# Altium PCB RFFE.PcbDoc (part 4 of 7) (continued)
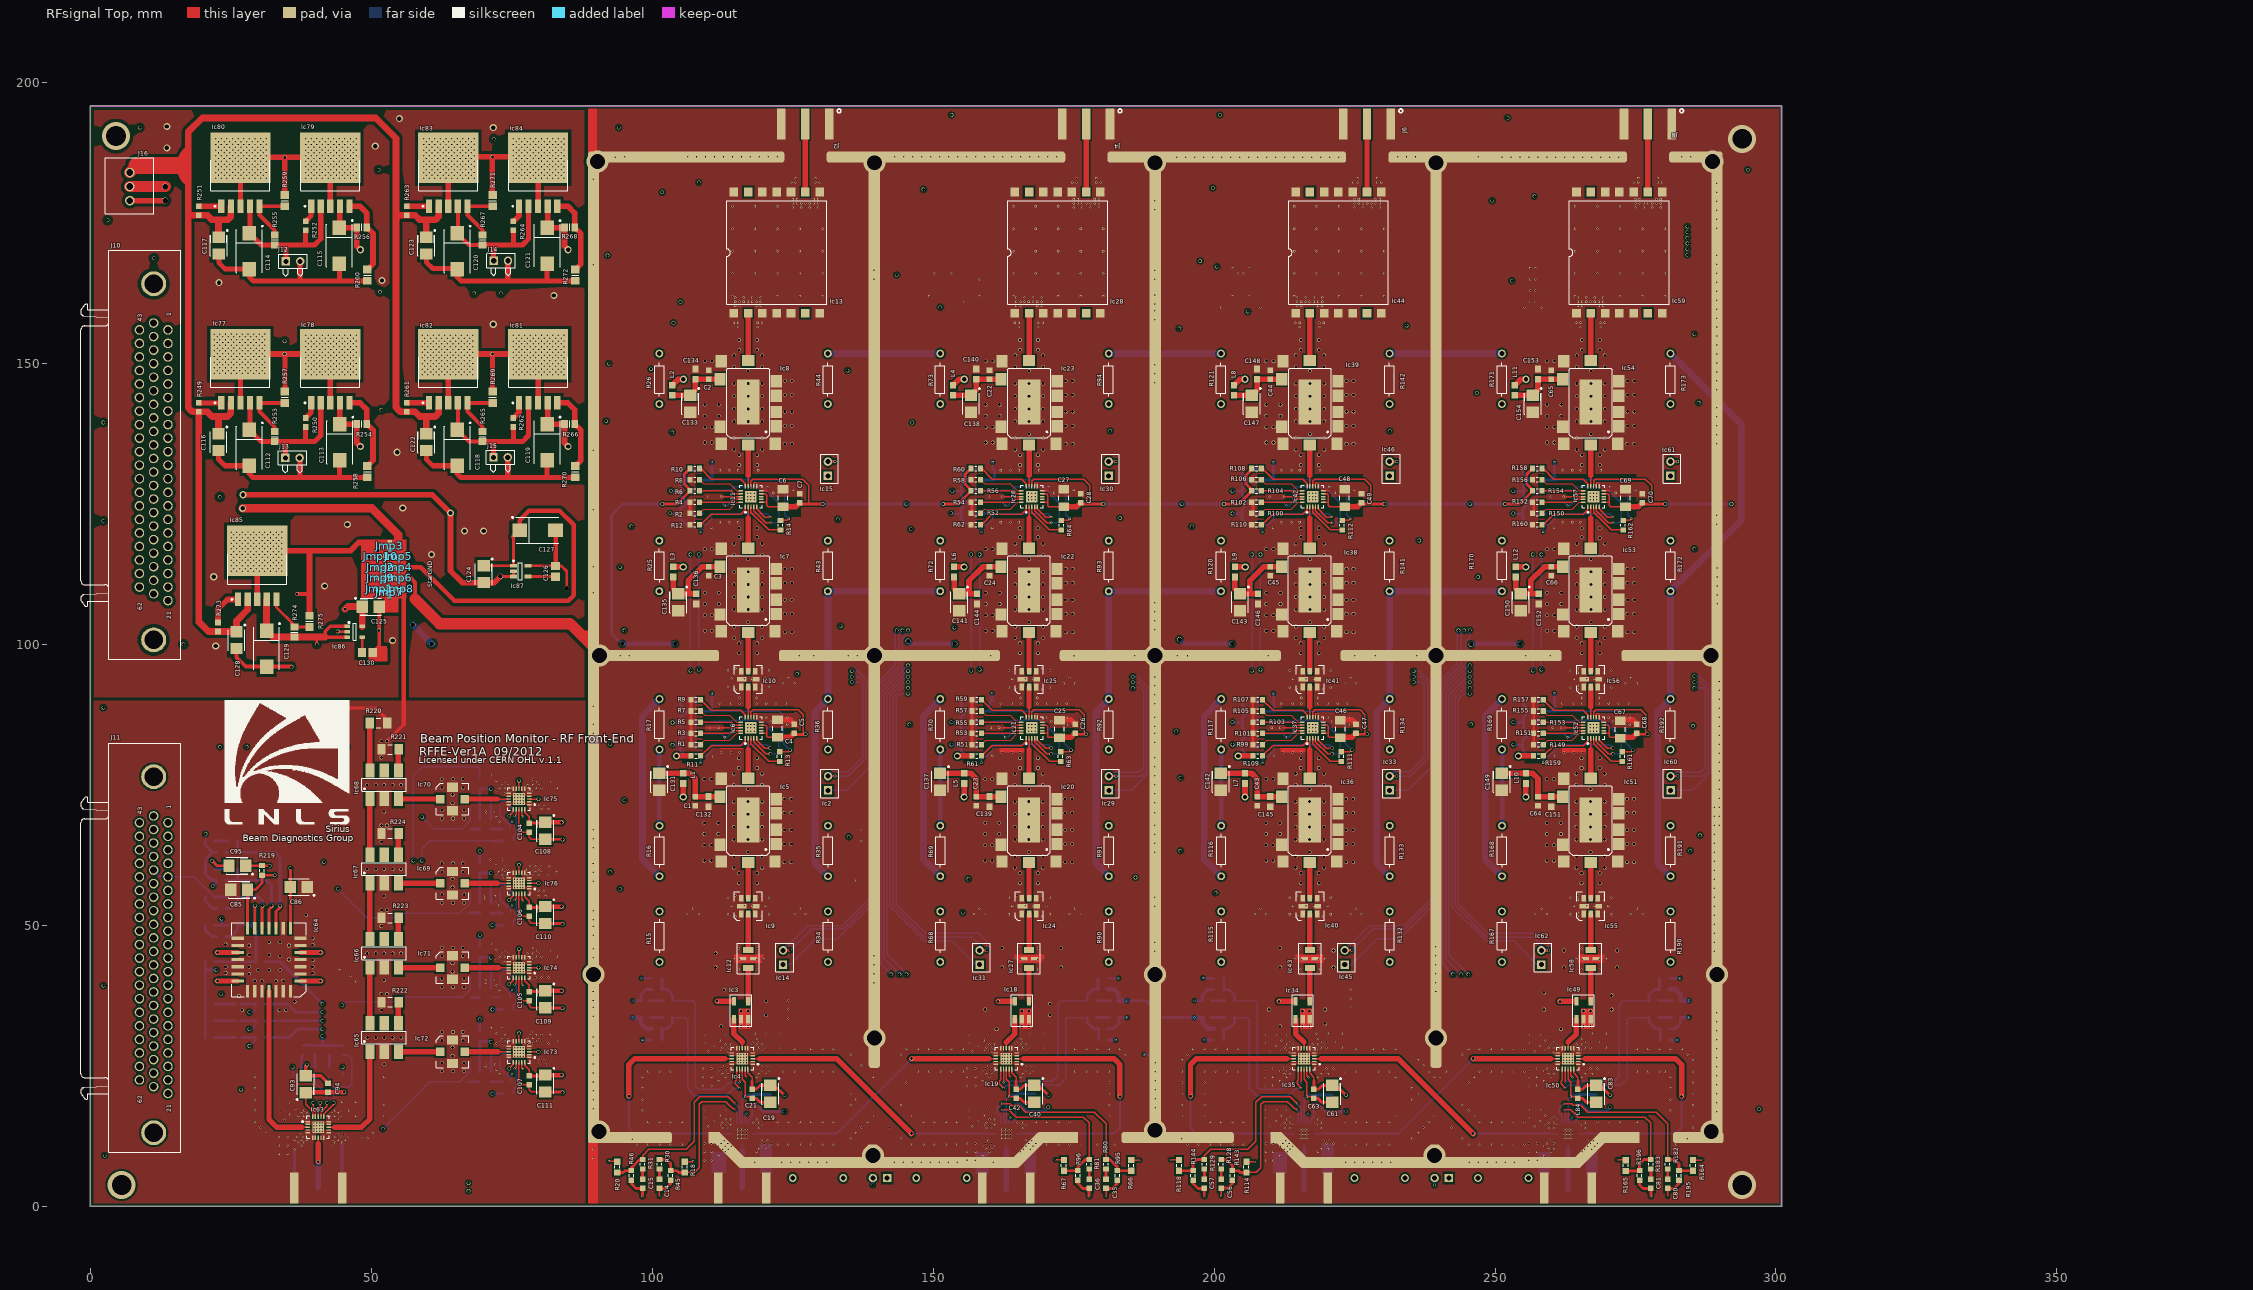
[diagram p0: RFsignal Top view]
## Nets (pads, with @x,y where several pads share a name; then routed paths per layer and width w, separated by ;. In a path a pad name is that pad's centre, name@x,y a point inside that pad or via, vN(x,y) a via of type N, cw(c..) or ccw(c..) an arc to the next point about the centre after c; other vN are vias at no path point) (continued)
NetIc57_1: Ic57.1 R160.2 | length 9.8
  RFsignal Top w0.254: R160.2@258.59,121.32 260.44,123.17 265.75,123.17 266.54,123.96 Ic57.1@266.54,124.475 Ic57.1@266.54,124.283
NetIc57_3: Ic57.3 R162.2 | length 7.5
  RFsignal Top w0.254: Ic57.3@267.54,124.475 267.54,123.51 270.67,120.38 R162.2@272.8,120.38
NetIc57_15: Ic57.15 R158.2 | length 9.7
  RFsignal Top w0.254: R158.2@258.59,131.32 260.49,129.42 265.75,129.42 266.54,128.63 Ic57.15@266.54,128.165 Ic57.15@266.54,128.373
NetIc57_16: Ic57.16 R156.2 | length 8.1
  RFsignal Top w0.2: R156.2@258.39,129.32 259.132,128.578 263.732,128.578 264.99,127.32 Ic57.16@265.695,127.32
NetIc57_17: Ic57.17 R154.2 | length 7.3
  RFsignal Top w0.254: R154.2@258.59,127.32 264,127.32 264.5,126.82 Ic57.17@265.695,126.82
NetIc57_19: Ic57.19 R152.2 | length 7.3
  RFsignal Top w0.254: R152.2@258.59,125.32 264,125.32 264.5,125.82 Ic57.19@265.695,125.82
NetIc57_20: Ic57.20 R150.2 | length 8.1
  RFsignal Top w0.2: R150.2@258.39,123.32 259.14,124.07 263.74,124.07 264.99,125.32 Ic57.20@265.695,125.32
NetIc59_9: Ic59.9 J8.5 | length 12.1
  RFsignal Top w0.965: Ic59.9@277.21,180.54 J8.5@277.21,192.65
NetIc60_1: Ic60.1 J10.25 | length 413.1
  CallTone RF w0.254: v2(284.25,174.375) 285.97,174.375 287.125,173.22 290.752,173.22 294.55,169.422 294.55,132.175 288.548,126.173 288.548,104.759 284.25,100.461 284.25,94.75 284.679,94.321 v2(285.5,94.321)
  Digital signal w0.127: J10.25@11.21,149.975 14.337,149.975
  Digital signal w0.254: 14.337,149.975 17.025,149.975 20.5,146.5 49.15,146.5 50.97,148.32 50.97,160.192 64.186,173.408 282.869,173.408 283.836,174.375 v2(284.25,174.375)
  RFsignal Bottom w0.254: Ic60.1@281.25,74 285.22,74 288.53,77.31 288.53,92.161 286.37,94.321 v2(285.5,94.321)
NetIc60_2: Ic60.2 Ic60.3 J10.4 J10.26 | length 814.9
  CallTone RF w0.254: v2(284.25,172.375) 286.375,172.375 286.618,172.132 290.301,172.132 293.462,168.971 293.462,132.626 287.46,126.624 287.46,105.21 282.75,100.5 282.75,93.25 283.75,92.25 v2(285.5,92.25) ; v2(284.25,173.375) 286.201,173.375 286.9,172.676 290.526,172.676 294.006,169.196 294.006,132.4 288.004,126.398 288.004,104.985 283.5,100.481 283.5,94 284.25,93.25 v2(285.5,93.25)
  Digital signal w0.127: J10.26@11.21,147.565 14.337,147.565
  Digital signal w0.254: J10.4@13.75,148.77 16.855,148.77 19.669,145.956 49.375,145.956 51.514,148.095 51.514,159.966 64.412,172.864 283.095,172.864 283.606,173.375 v2(284.25,173.375) ; 14.337,147.565 16.185,147.565 18.338,145.412 49.601,145.412 52.058,147.869 52.058,159.741 64.637,172.32 v2@284.195,172.32
  RFsignal Bottom w0.254: Ic60.2@281.557,76.54 282.244,77.227 286.599,77.227 287.442,78.07 287.442,91.75 286.942,92.25 v2(285.5,92.25) ; Ic60.3@282.52,76.56 287.011,76.56 287.986,77.535 287.986,91.946 286.682,93.25 v2(285.5,93.25)
NetIc61_1: Ic61.1 J10.5 | length 346.5
  CallTone RF w0.254: Ic61.1@281.23,130 287.414,130 292.918,135.504 292.918,168.746 290.076,171.588 286.674,171.588 286.461,171.375 v2(284.25,171.375)
  Digital signal w0.254: J10.5@13.75,146.36 16.39,146.36 17.882,144.868 49.826,144.868 52.602,147.644 52.602,159.516 64.862,171.776 283.821,171.776 v2@284.222,171.375
NetIc61_2: Ic61.2 Ic61.3 J10.6 J10.27 | length 692.2
  CallTone RF w0.254: Ic61.2@281.23,132.54 282.065,133.375 289.25,133.375 291.83,135.955 291.83,168.295 289.625,170.5 287.125,170.5 286,169.375 v2(284.25,169.375) ; Ic61.3@282.5,132.56 289.204,132.56 292.374,135.73 292.374,168.52 289.85,171.044 286.9,171.044 286.231,170.375 v2(284.25,170.375)
  Digital signal w0.127: J10.27@11.21,145.155 14.337,145.155
  Digital signal w0.254: J10.6@13.937,143.763 50.259,143.763 53.69,147.193 53.69,159.065 65.313,170.688 79.692,170.688 82.344,168.036 87.766,168.036 90.418,170.688 282.909,170.688 v2@284.222,169.375 ; 14.337,145.155 16.47,145.155 17.318,144.307 50.034,144.307 53.146,147.419 53.146,159.29 65.088,171.232 80.148,171.232 82.8,168.58 87.31,168.58 89.962,171.232 283.365,171.232 v2@284.222,170.375
  RFsignal Bottom w0.254: J10.6@13.75,143.95 J10.6@13.937,143.763
NetIc62_1: Ic62.1 J10.49 | length 448.6
  CallTone RF w0.254: J10.49@8.67,141.54 2.78,147.43 2.78,168.891 9.179,175.29 60.942,175.29 66.132,180.48 91.873,180.48 102.796,191.403 244.968,191.403 248.362,188.009 248.362,183.656 243.638,178.932 243.638,108.006 249.309,102.335 249.309,97.059 v2(245.5,93.25)
  RFsignal Bottom w0.254: v2(245.5,93.25) 244.803,93.25 242.338,90.785 242.338,53.309 248.397,47.25 253.3,47.25 257.55,43 Ic62.1@258.25,43
NetIc62_2: Ic62.2 Ic62.3 J10.50 J10.51 | length 909.9
  CallTone RF w0.254: J10.51@8.67,136.72 1.692,143.698 1.692,169.342 8.728,176.378 60.492,176.378 65.681,181.568 91.422,181.568 102.345,192.491 245.906,192.491 249.576,188.821 249.576,182.771 244.847,178.042 244.847,108.638 250.5,102.985 250.5,96.25 v2(245.5,91.25) ; J10.50@8.67,139.13 2.236,145.564 2.236,169.117 8.954,175.834 60.717,175.834 65.907,181.024 91.648,181.024 102.571,191.947 245.457,191.947 248.908,188.496 248.908,183.224 244.242,178.558 244.242,108.306 249.916,102.632 249.916,96.666 v2(245.5,92.25)
  RFsignal Bottom w0.254: v2(245.5,91.25) 244.449,91.25 243.426,90.227 243.426,53.76 248.627,48.559 258.043,48.559 259.52,47.082 Ic62.3@259.52,45.56 ; v2(245.5,92.25) 244.638,92.25 242.882,90.494 242.882,53.535 248.511,47.906 256.9,47.906 258.25,46.556 Ic62.2@258.25,45.54
NetIc63_3: Ic63.3 Ic64.1 | length 30.3
  RFsignal Top w0.254: 37.556,14.05 Ic63.3@38.653,14.05
  RFsignal Top w0.965: Ic64.1@31.74,38.28 31.74,15.42 33.11,14.05 37.556,14.05
NetIc63_8: Ic63.8 J9.5 | length 9
  RFsignal Top w0.254: Ic63.8@40.498,12.205 40.5,11.14
  RFsignal Top w0.965: v8(40.5,7.91) 40.5,11.14
  RFsignal Bottom w0.965: J9.5@40.501,3.24 v8@40.501,7.909
NetIc63_13: Ic63.13 Ic65.1 | length 19.9
  RFsignal Top w0.254: Ic63.13@42.343,14.05 43.44,14.05
  RFsignal Top w0.965: 43.44,14.05 48.2,14.05 49.7,15.55 Ic65.1@49.7,27.47
NetIc63_16: Ic63.16 R206.2 R207.2 R213.2 | length 18.1
  RFsignal Top w0.254: Ic63.16@41.498,15.895 41.498,16.348 43.25,18.1 v2(43.25,18.4)
  RFsignal Bottom w0.254: R207.2@42.5,23.04 42.5,21.933 43.241,21.192 ; v2(43.25,18.4) 43.25,21.183 43.241,21.192 ; R213.2@44.81,26.87 45.83,26.87 46.47,26.23 R206.2@46.47,23.03 46.47,21.67 45.992,21.192 43.241,21.192
NetIc63_17: Ic63.17 R204.2 R208.2 R214.2 | length 14.9
  RFsignal Top w0.254: Ic63.17@40.998,15.895 40.998,16.748 42.05,17.8 v2(42.05,18.4)
  RFsignal Bottom w0.254: R208.2@39.93,23.02 39.93,21.97 42.05,19.85 v2(42.05,18.4)
  RFsignal Bottom w0.508: R214.2@37.86,26.93 37.55,26.62 R204.2@37.55,23.02 R208.2@39.93,23.02
NetIc64_5: Ic64.5 Ic75.3 | length 104.9
  RFsignal Top w0.254: Ic75.3@78.085,72.47 v2(79.72,72.47)
  RFsignal Top w0.965: v2(22.55,40.07) Ic64.5@26.14,40.07
  CallTone RF w0.2: v2(22.55,40.07) 19.23,40.07 17.75,41.55 17.75,61.498 22.756,66.504 81.114,66.504 82.85,68.24 82.85,70.85 81.23,72.47 v2(79.72,72.47)
NetIc64_9: Ic64.9 Ic76.3 | length 82.1
  RFsignal Top w0.254: Ic76.3@78.085,57.47 v2(79.72,57.47)
  RFsignal Top w0.965: v2(22.55,45.15) Ic64.9@26.14,45.15
  CallTone RF w0.2: v2(22.55,45.15) 20.7,47 20.7,51.385 21.915,52.6 40.181,52.6 40.931,51.85 81.6,51.85 82.75,53 82.75,55.75 81.03,57.47 v2(79.72,57.47)
NetIc64_21: Ic64.21 Ic74.3 | length 58.1
  RFsignal Top w0.254: Ic74.3@78.085,42.47 v2(79.72,42.47)
  RFsignal Top w0.965: Ic64.21@37.34,45.15 v2(40.93,45.15)
  CallTone RF w0.2: v2(40.93,45.15) 42.68,43.4 51.7,43.4 58.3,36.8 81.65,36.8 82.95,38.1 82.95,41.2 81.68,42.47 v2(79.72,42.47)
NetIc64_25: Ic64.25 Ic73.3 | length 70.5
  RFsignal Top w0.254: Ic73.3@78.085,27.47 v2(79.72,27.47)
  RFsignal Top w0.965: Ic64.25@37.34,40.07 v2(40.93,40.07)
  CallTone RF w0.2: v2(40.93,40.07) 44.83,40.07 46.5,38.4 46.5,23.8 48.5,21.8 81.55,21.8 82.8,23.05 82.8,26.3 81.63,27.47 v2(79.72,27.47)
NetIc65_3: Ic65.3 Ic72.1 | length 7.5
  RFsignal Top w0.965: Ic65.3@54.78,27.47 Ic72.1@62.24,27.47
NetIc65_4: Ic65.4 R222.2 | length 3.7
  RFsignal Top w0.965: Ic65.4@54.78,32.55 R222.2@54.78,36.24
NetIc65_6: Ic65.6 Ic66.1 | length 9.9
  RFsignal Top w0.965: Ic65.6@49.7,32.55 Ic66.1@49.7,42.47
NetIc66_3: Ic66.3 Ic71.1 | length 7.5
  RFsignal Top w0.965: Ic66.3@54.78,42.47 Ic71.1@62.24,42.47
NetIc66_4: Ic66.4 R223.1 | length 3.7
  RFsignal Top w0.965: Ic66.4@54.78,47.55 R223.1@54.78,51.24
NetIc66_6: Ic66.6 Ic67.1 | length 9.9
  RFsignal Top w0.965: Ic66.6@49.7,47.55 Ic67.1@49.7,57.47
NetIc67_3: Ic67.3 Ic69.1 | length 7.5
  RFsignal Top w0.965: Ic67.3@54.78,57.47 Ic69.1@62.24,57.47
NetIc67_4: Ic67.4 R224.1 | length 3.7
  RFsignal Top w0.965: Ic67.4@54.78,62.55 R224.1@54.78,66.24
NetIc67_6: Ic67.6 Ic68.1 | length 9.9
  RFsignal Top w0.965: Ic67.6@49.7,62.55 Ic68.1@49.7,72.47
NetIc68_3: Ic68.3 Ic70.1 | length 7.5
  RFsignal Top w0.965: Ic68.3@54.78,72.47 Ic70.1@62.24,72.47
NetIc68_4: Ic68.4 R221.2 | length 3.7
  RFsignal Top w0.965: Ic68.4@54.78,77.55 R221.2@54.78,81.24
NetIc68_6: Ic68.6 R220.2 | length 8.4
  RFsignal Top w0.965: Ic68.6@49.7,77.55 R220.2@49.7,86
NetIc69_3: Ic69.3 Ic76.13 | length 7.8
  RFsignal Top w0.254: 72.41,57.47 Ic76.13@74.395,57.47
  RFsignal Top w0.965: Ic69.3@66.56,57.47 72.41,57.47
NetIc70_3: Ic70.3 Ic75.13 | length 7.8
  RFsignal Top w0.254: 72.4,72.47 Ic75.13@74.395,72.47
  RFsignal Top w0.965: Ic70.3@66.56,72.47 72.4,72.47
NetIc71_3: Ic71.3 Ic74.13 | length 7.8
  RFsignal Top w0.254: 72.54,42.47 Ic74.13@74.395,42.47
  RFsignal Top w0.965: Ic71.3@66.56,42.47 72.54,42.47
NetIc72_3: Ic72.3 Ic73.13 | length 7.8
  RFsignal Top w0.254: 72.45,27.47 Ic73.13@74.395,27.47
  RFsignal Top w0.965: Ic72.3@66.56,27.47 72.45,27.47
NetIc73_16: Ic73.16 R231.1 R233.2 R241.2 | length 15.4
  RFsignal Top w0.254: v2(74.5,24.5) 75.24,25.24 Ic73.16@75.24,25.625
  Digital signal w0.127: v2(71.25,29.25) 71.25,26.85 73.6,24.5 v2(74.5,24.5)
  RFsignal Bottom w0.508: R233.2@69.25,23.85 R241.2@69.25,26.05 ; R241.2@69.25,26.15 R231.1@69.25,29.3 v2@71.2,29.3
NetIc73_17: Ic73.17 R227.1 R234.2 R242.2 | length 15.5
  RFsignal Top w0.254: v3(75.45,24.47) 75.74,24.76 Ic73.17@75.74,25.625
  RFsignal Bottom w0.254: R242.2@71.2,26.1 71.2,27 71.4,27.2 73.688,27.2 75.75,25.138 75.75,21.25 75.2,20.7 R227.1@75.2,20 ; v3(75.45,24.47) 75.71,24.47
  RFsignal Bottom w0.508: R234.2@71.25,23.85 R242.2@71.25,26.05
NetIc74_16: Ic74.16 R229.1 R235.2 R243.2 | length 15.4
  RFsignal Top w0.254: v2(74.5,39.5) 75.24,40.24 Ic74.16@75.24,40.625
  Digital signal w0.127: v2(71.25,44.25) 71.25,41.85 73.6,39.5 v2(74.5,39.5)
  RFsignal Bottom w0.508: R235.2@69.25,38.85 R243.2@69.25,41.05 ; R243.2@69.25,41.15 R229.1@69.25,44.3 v2@71.2,44.3
NetIc74_17: Ic74.17 R225.1 R236.2 R244.2 | length 15.5
  RFsignal Top w0.254: v3(75.45,39.47) 75.74,39.76 Ic74.17@75.74,40.625
  RFsignal Bottom w0.254: R244.2@71.2,41.1 71.2,42 71.4,42.2 73.688,42.2 75.75,40.138 75.75,39.25 75.75,36.35 75.2,35.8 R225.1@75.2,35 ; v3(75.45,39.47) 75.71,39.47
  RFsignal Bottom w0.508: R236.2@71.25,38.85 R244.2@71.25,41.05
NetIc75_16: Ic75.16 R232.1 R237.2 R245.2 | length 15.4
  RFsignal Top w0.254: v2(74.5,69.5) 75.24,70.24 Ic75.16@75.24,70.625
  Digital signal w0.127: v2(71.25,74.25) 71.25,71.85 73.6,69.5 v2(74.5,69.5)
  RFsignal Bottom w0.508: R237.2@69.25,68.85 R245.2@69.25,71.05 ; R245.2@69.25,71.15 R232.1@69.25,74.3 v2@71.2,74.3
NetIc75_17: Ic75.17 R228.1 R238.2 R246.2 | length 15.5
  RFsignal Top w0.254: v3(75.45,69.47) 75.74,69.76 Ic75.17@75.74,70.625
  RFsignal Bottom w0.254: R246.2@71.2,71.1 71.2,72 71.4,72.2 73.688,72.2 75.75,70.138 75.75,69.25 75.75,66.25 75.2,65.7 R228.1@75.2,65 ; v3(75.45,69.47) 75.71,69.47
  RFsignal Bottom w0.508: R238.2@71.25,68.85 R246.2@71.25,71.05
NetIc76_16: Ic76.16 R230.1 R239.2 R247.2 | length 15.4
  RFsignal Top w0.254: v2(74.5,54.5) 75.24,55.24 Ic76.16@75.24,55.625
  Digital signal w0.127: v2(71.25,59.25) 71.25,56.85 73.6,54.5 v2(74.5,54.5)
  RFsignal Bottom w0.508: R239.2@69.25,53.85 R247.2@69.25,56.05 ; R247.2@69.25,56.15 R230.1@69.25,59.3 v2@71.2,59.3
NetIc76_17: Ic76.17 R226.1 R240.2 R248.2 | length 15.5
  RFsignal Top w0.254: v3(75.45,54.47) 75.74,54.76 Ic76.17@75.74,55.625
  RFsignal Bottom w0.254: R248.2@71.2,56.1 71.2,57 71.4,57.2 73.688,57.2 75.75,55.138 75.75,54.25 75.75,51.25 75.2,50.7 R226.1@75.2,50 ; v3(75.45,54.47) 75.71,54.47
  RFsignal Bottom w0.508: R240.2@71.25,53.85 R248.2@71.25,56.05
NetIc77_1: Ic77.1 R249.1 | length 4
  RFsignal Top w0.9: R249.1@19.25,143 Ic77.1@23.246,143
NetIc77_5: Ic77.5 R253.2 R257.1 | length 10.7
  RFsignal Top w0.7: R253.2@32.75,137.9 32.75,138.75 30.054,141.446 Ic77.5@30.054,143 R257.1@34.55,143
NetIc78_1: Ic78.1 R250.1 | length 3.1
  RFsignal Top w0.9: R250.1@38.25,140.3 39.246,141.296 Ic78.1@39.246,143
NetIc78_5: Ic78.5 R254.2 R258.1 | length 14.5
  RFsignal Top w1: Ic78.5@46.054,143 47.95,143 49.15,141.8 R254.2@49.15,139.25 50.25,138.15 50.25,132.75 R258.1@49.25,131.75
NetIc79_1: Ic79.1 R252.1 | length 3.1
  RFsignal Top w0.9: R252.1@38.25,175.3 39.246,176.296 Ic79.1@39.246,178
NetIc79_5: Ic79.5 R256.2 R260.1 | length 14.5
  RFsignal Top w1: Ic79.5@46.054,178 47.95,178 49.15,176.8 R256.2@49.15,174.25 50.25,173.15 50.25,167.75 R260.1@49.25,166.75
NetIc80_1: Ic80.1 R251.1 | length 4
  RFsignal Top w0.9: R251.1@19.25,178 Ic80.1@23.246,178
NetIc80_5: Ic80.5 R255.2 R259.1 | length 10.7
  RFsignal Top w0.7: R255.2@32.75,172.9 32.75,173.75 30.054,176.446 Ic80.5@30.054,178 R259.1@34.55,178
NetIc81_1: Ic81.1 R262.1 | length 3.1
  RFsignal Top w1: R262.1@75.25,140.3 76.246,141.296 Ic81.1@76.246,143
NetIc81_5: Ic81.5 R266.2 R270.1 | length 14.5
  RFsignal Top w1: Ic81.5@83.054,143 84.95,143 86.15,141.8 R266.2@86.15,139.25 87.25,138.15 87.25,132.75 R270.1@86.25,131.75
NetIc82_1: Ic82.1 R261.1 | length 4
  RFsignal Top w1: R261.1@56.25,143 Ic82.1@60.246,143
NetIc82_5: Ic82.5 R265.2 R269.1 | length 10.7
  RFsignal Top w0.7: R265.2@69.75,137.9 69.75,138.75 67.054,141.446 Ic82.5@67.054,143 R269.1@71.55,143
NetIc83_1: Ic83.1 R263.1 | length 4
  RFsignal Top w1: R263.1@56.25,178 Ic83.1@60.246,178
NetIc83_5: Ic83.5 R267.2 R271.1 | length 10.7
  RFsignal Top w0.7: R267.2@69.75,172.9 69.75,173.75 67.054,176.446 Ic83.5@67.054,178 R271.1@71.55,178
NetIc84_1: Ic84.1 R264.1 | length 3.1
  RFsignal Top w1: R264.1@75.25,175.3 76.246,176.296 Ic84.1@76.246,178
NetIc84_5: Ic84.5 R268.2 R272.1 | length 14.5
  RFsignal Top w1: Ic84.5@83.054,178 84.95,178 86.15,176.8 R268.2@86.15,174.25 87.25,173.15 87.25,167.75 R272.1@86.25,166.75
NetIc85_1: Ic85.1 R273.1 | length 6.7
  RFsignal Top w1: R273.1@22.65,103.9 22.65,106.3 24.35,108 Ic85.1@26.246,108
NetIc85_5: Ic85.5 R274.2 R275.1 | length 8.9
  RFsignal Top w0.508: Ic85.5@33.054,108 33.054,106.596 36.25,103.4 R274.2@36.25,103.1 R275.1@38.95,103.1
NetJ10_13: J10.13 R49.2 R50.2 | length 261.7
  Supply w0.6: J10.13@13.75,127.08 16.37,127.08 20.396,123.054 20.396,89.883 18.935,88.422 18.935,13.915 28.75,4.1 v2(67.25,4.1)
  CallTone RF w0.8: R49.2@124.975,5 127.575,2.4 153.365,2.4 R50.2@155.965,5
  Digital signal w0.8: v2(67.25,4.1) 124.075,4.1 R49.2@124.975,5
NetJ10_14: J10.14 R147.2 R148.2 | length 362.1
  Supply w0.6: J10.14@13.75,124.67 16.8,124.67 18.66,122.81 18.66,90.837 17.123,89.3 17.123,13.747 28.17,2.7 v2(67.25,2.7)
  CallTone RF w0.8: R147.2@224.975,5 227.775,2.2 253.165,2.2 R148.2@255.965,5
  Digital signal w0.8: v2(67.25,2.7) 222.675,2.7 R147.2@224.975,5
NetJ10_21: J10.21 R170.2 R171.2 R172.2 R173.2 | length 394.3
  Supply w0.8: R170.2@251.23,118.465 256.474,123.709 275.986,123.709 R172.2@281.23,118.465 283.215,118.465 285.25,120.5 285.25,140.75 283.215,142.785 R173.2@281.23,142.785 277.778,139.333 277.778,133.576 273.46,129.258 255.334,129.258 251.23,133.362 R171.2@251.23,142.785
  Digital signal w0.8: J10.21@13.75,107.8 60.15,107.8 89.85,137.5 89.85,151.5 102.05,163.7 234.35,163.7 251.23,146.82 R171.2@251.23,142.785
NetJ10_42: J10.42 R120.2 R121.2 R141.2 R142.2 | length 340.2
  Supply w0.8: R120.2@201.23,118.465 206.474,123.709 225.986,123.709 R141.2@231.23,118.465 233.215,118.465 235.25,120.5 235.25,140.75 233.215,142.785 R142.2@231.23,142.785 227.778,139.333 227.778,133.576 223.46,129.258 205.334,129.258 201.23,133.362 R121.2@201.23,142.785
  Digital signal w0.8: J10.42@11.21,109.005 11.21,107.24 13.39,105.06 62.91,105.06 94.05,136.2 94.05,148.4 100.85,155.2 188.815,155.2 R121.2@201.23,142.785
NetJ10_56: J10.56 R15.2 R16.2 R17.2 R34.2 R35.2 R36.2 | length 246.3
  Supply w0.8: R16.2@101.25,67.715 103.335,67.715 104.65,66.4 104.65,55.865 R15.2@101.25,52.465 104.215,49.5 128.285,49.5 R34.2@131.25,52.465 127.25,56.465 127.25,66.1 128.865,67.715 R35.2@131.25,67.715 134.965,67.715 136.25,69 136.25,80 134.965,81.285 R36.2@131.25,81.285
  CallTone RF w0.8: J10.56@8.67,124.67 0.918,116.918 0.918,94.932 7.75,88.1 94.435,88.1 R17.2@101.25,81.285
  RFsignal Bottom w0.8: R16.2@101.25,67.715 R17.2@101.25,81.285
NetJ10_57: J10.57 R68.2 R69.2 R70.2 R90.2 R91.2 R92.2 | length 290.3
  Supply w0.8: R69.2@151.25,67.715 153.335,67.715 154.65,66.4 154.65,55.865 R68.2@151.25,52.465 154.215,49.5 178.285,49.5 R90.2@181.25,52.465 177.25,56.465 177.25,66.1 178.865,67.715 R91.2@181.25,67.715 184.965,67.715 186.25,69 186.25,80 184.965,81.285 R92.2@181.25,81.285
  CallTone RF w0.8: J10.57@8.67,122.26 2.324,115.914 2.324,97.626 9.05,90.9 96.55,90.9 104.821,82.629 130.685,82.629 130.691,82.635 132.615,82.635 133.965,81.285 R70.2@151.25,81.285
  RFsignal Bottom w0.8: R69.2@151.25,67.715 R70.2@151.25,81.285
NetJ10_58: J10.58 R115.2 R116.2 R117.2 R132.2 R133.2 R134.2 | length 335.5
  Supply w0.8: R116.2@201.25,67.715 203.335,67.715 204.65,66.4 204.65,55.865 R115.2@201.25,52.465 204.215,49.5 228.285,49.5 R132.2@231.25,52.465 227.25,56.465 227.25,66.1 228.865,67.715 R133.2@231.25,67.715 234.965,67.715 236.25,69 236.25,80 234.965,81.285 R134.2@231.25,81.285
  CallTone RF w0.8: J10.58@8.67,119.85 3.854,115.034 3.854,98.996 10.05,92.8 105.41,92.8 110.194,88.016 130.704,88.016 134.892,83.828 155.514,83.828 157.218,82.124 168.914,82.124 169.619,82.829 182.67,82.829 184.215,81.285 R117.2@201.25,81.285
  RFsignal Bottom w0.8: R116.2@201.25,67.715 R117.2@201.25,81.285
NetJ10_59: J10.59 R167.2 R168.2 R169.2 R190.2 R191.2 R192.2 | length 381.3
  Supply w0.8: R168.2@251.25,67.715 253.335,67.715 254.65,66.4 254.65,55.865 R167.2@251.25,52.465 254.215,49.5 278.285,49.5 R190.2@281.25,52.465 277.25,56.465 277.25,66.1 278.865,67.715 R191.2@281.25,67.715 284.965,67.715 286.25,69 286.25,80 284.965,81.285 R192.2@281.25,81.285
  CallTone RF w0.8: J10.59@8.67,117.44 5.481,114.251 5.481,100.469 8.54,97.41 38.34,97.41 41.25,94.5 102.75,94.5 105.05,96.8 127.45,96.8 135.956,88.294 228.706,88.294 235.715,81.285 R169.2@251.25,81.285
  RFsignal Bottom w0.8: R168.2@251.25,67.715 R169.2@251.25,81.285
NetJ10_61: J10.61 R25.2 R26.2 R43.2 R44.2 | length 250.6
  Supply w0.8: R25.2@101.23,118.465 106.474,123.709 125.986,123.709 R43.2@131.23,118.465 133.215,118.465 135.25,120.5 135.25,140.75 133.215,142.785 R44.2@131.23,142.785 127.778,139.333 127.778,133.576 123.46,129.258 105.334,129.258 101.23,133.362 R26.2@101.23,142.785
  Digital signal w0.8: J10.61@8.67,112.62 6.77,112.62 5.25,111.1 5.25,100.2 7.84,97.61 65.46,97.61 101.23,133.38 R26.2@101.23,142.785
NetJ10_62: J10.62 R72.2 R73.2 R93.2 R94.2 | length 286.6
  Supply w0.8: R72.2@151.23,118.465 156.474,123.709 175.986,123.709 R93.2@181.23,118.465 183.215,118.465 185.25,120.5 185.25,140.75 183.215,142.785 R94.2@181.23,142.785 177.778,139.333 177.778,133.576 173.46,129.258 155.334,129.258 151.23,133.362 R73.2@151.23,142.785
  CallTone RF w0.254: J10.62@7.96,110.21 J10.62@8.67,110.21
  Digital signal w0.8: J10.62@8.67,110.21 8.67,107.08 11.98,103.77 54.08,103.77 55.74,102.11 64.96,102.11 97.85,135 97.85,143.1 100.155,145.405 132.845,145.405 135.465,142.785 R73.2@151.23,142.785
NetJ11_1: J11.1 R163.1 | length 303.5
  Digital signal w0.254: J11.1@13.75,68.25 16.474,70.974 16.474,74.522 22.075,80.123 47.354,80.123 50.791,83.56 80.445,83.56 100.76,63.245 111.445,63.245 112.525,64.324 121.276,64.324 122.325,63.275 161.345,63.275 162.521,64.45 171.381,64.45 173.055,66.124 184.456,66.124 201.048,49.532 272.726,49.532 275.146,47.112 275.146,42.02 276.616,40.55 v3(282.95,40.55)
  RFsignal Bottom w0.508: R163.1@281.2,40.57 v3@282.98,40.57
NetJ11_2: J11.2 R166.1 | length 313.7
  Digital signal w0.254: J11.2@13.75,65.84 17.018,69.108 17.018,74.297 22.3,79.579 47.579,79.579 49.91,81.91 81.325,81.91 100.535,62.701 111.671,62.701 112.75,63.78 121.051,63.78 122.1,62.731 161.571,62.731 162.637,63.797 171.497,63.797 173.28,65.58 184.23,65.58 200.823,48.988 272.501,48.988 274.602,46.886 274.602,31.51 276.542,29.57 v3(282.43,29.57)
  RFsignal Bottom w0.508: R166.1@281.05,29.57 v3(282.43,29.57) v3@282.48,29.57
NetJ11_3: J11.3 R165.2 | length 332.2
  RFsignal Top w0.254: v3(271.75,8.25) R165.2@273.25,8.25
  Digital signal w0.254: J11.3@13.75,63.43 15.89,63.43 18.106,65.646 18.106,73.846 22.751,78.491 48.03,78.491 50.361,80.822 80.875,80.822 100.084,61.613 103.458,61.613 105.561,59.51 110.47,59.51 111.93,60.97 121.391,60.97 122.47,59.891 157.552,59.891 ; 157.552,59.881 159.019,58.414 173.515,58.414 179.051,63.95 184.322,63.95 200.372,47.9 272.05,47.9 273.514,46.436 273.514,10.015 v3(271.75,8.25)
NetJ11_4: J11.4 R119.1 | length 231.1
  Digital signal w0.254: J11.4@13.75,61.02 16.85,61.02 19.194,63.364 19.194,73.395 23.202,77.403 51.929,77.403 54.26,79.734 80.424,79.734 95.816,64.342 95.816,61.067 100.805,56.078 183.771,56.078 193.338,46.511 193.338,31.64 195.428,29.55 v3(198.25,29.55)
  RFsignal Bottom w0.508: v3@198.25,29.6 R119.1@199.77,29.6
NetJ11_6: J11.6 R118.2 | length 251.4
  RFsignal Top w0.254: v3(192.25,8.25) R118.2@193.75,8.25
  Digital signal w0.254: J11.6@13.75,56.2 18.835,56.2 22.671,60.036 22.671,75.334 23.652,76.315 52.484,76.315 54.815,78.646 79.798,78.646 94.654,63.79 94.654,60.69 104.564,50.78 187.53,50.78 192.25,46.06 v3(192.25,8.25)
NetJ11_7: J11.7 R67.2 | length 237.6
  RFsignal Top w0.254: v3(171.75,8.25) R67.2@173.25,8.25
  Digital signal w0.254: J11.7@13.764,53.776 20.513,53.776 33.008,66.271 78.689,66.271 96.14,48.82 182.466,48.82 186.206,45.08 186.206,11.01 183.446,8.25 v3(171.75,8.25)
NetJ11_8: J11.8 R65.1 | length 192.5
  Digital signal w0.254: J11.8@13.75,51.38 19.82,51.38 33.623,65.183 48.747,65.183 49.787,64.143 79.279,64.143 95.69,47.732 182.015,47.732 185.118,44.629 185.118,42.4 183.268,40.55 v3(183,40.55)
  RFsignal Bottom w0.508: R65.1@181.2,40.57 v3@182.98,40.57
NetJ11_15: J11.15 R205.1 | length 45.1
  Digital signal w0.254: J11.15@13.75,34.51 16.67,34.51 24.889,26.291 29.939,26.291 38.147,34.5 v2(41.25,34.5)
  RFsignal Bottom w0.508: R205.1@31.1,36 35.15,36 36.65,34.5 v2(41.25,34.5)
NetJ11_16: J11.16 R202.1 | length 44
  Digital signal w0.254: J11.16@13.75,32.1 15.85,32.1 23.01,24.94 32.83,24.94 39.39,31.5 v2(41.25,31.5)
  RFsignal Bottom w0.508: R202.1@31.1,30 35.35,30 36.85,31.5 v2(41.25,31.5)
NetJ11_17: J11.17 R204.1 | length 26.8
  Digital signal w0.254: J11.17@13.75,29.69 19.654,23.786 34.986,23.786 v2(35.95,24.75)
  RFsignal Bottom w0.254: R204.1@35.95,23.02 v2(35.95,24.75)
NetJ11_19: J11.19 R228.2 | length 120.9
  Digital signal w0.254: J11.19@13.75,24.87 15.1,24.87 32.84,7.13 53.689,7.13 58,11.441 58,19.551 58.95,20.501 v2(58.95,61.5)
  RFsignal Bottom w0.254: v2(58.95,61.5) 58.95,63.6 60.35,65 71.5,65
  RFsignal Bottom w0.508: 71.5,65 R228.2@73.3,65
NetJ11_20: J11.20 R226.2 | length 103.6
  Digital signal w0.254: J11.20@13.75,22.46 14.101,22.46 30.519,6.042 54.14,6.042 59.088,10.99 59.088,18.298 63.56,22.77 63.56,47.9 65.66,50 v2(71.5,50)
  RFsignal Bottom w0.508: v2(71.5,50) R226.2@73.3,50
NetJ11_21: J11.21 R229.2 | length 99
  Digital signal w0.254: J11.21@13.75,20.05 17.055,16.745 19.047,16.745 30.294,5.498 54.365,5.498 59.632,10.765 59.632,16.602 65.26,22.23 65.26,46.62 66.89,48.25 v2(69.25,48.25)
  RFsignal Bottom w0.508: R229.2@69.25,46.2 v2(69.25,48.25)
NetJ11_22: J11.22 R111.1 R122.2 R135.2 | length 259.1
  RFsignal Top w0.254: R111.1@222.66,80.89 224.22,80.89 v2(224.51,81.18)
  Digital signal w0.254: J11.22@11.21,69.455 15.02,73.265 15.02,81.97 18.65,85.6 83.65,85.6 98.25,71 201.597,71 209.222,78.625 209.222,78.895 209.548,79.221 209.548,88.658 210.58,89.69 v4(210.58,91.27)
  RFsignal Bottom w0.254: 210.9,88.1 222.58,88.1 223.33,87.35 223.33,82.36 v2(224.51,81.18)
  RFsignal Bottom w0.508: R135.2@208.6,88.1 210.9,88.1 ; R122.2@210.58,90.12 v4(210.58,91.27) ; 210.6,88.11 R122.2@210.6,90.15
NetJ11_23: J11.23 R161.1 R174.2 R184.2 | length 311.3
  RFsignal Top w0.254: R161.1@272.66,80.89 274.22,80.89 v2(274.51,81.18)
  Digital signal w0.254: J11.23@11.21,67.045 12.477,68.312 12.477,69.137 15.93,72.59 15.93,81.16 19.27,84.5 81.15,84.5 96.694,68.956 229.896,68.956 231.347,70.407 251.078,70.407 259.498,78.827 259.498,88.708 260.58,89.79 v4(260.58,91.32)
  RFsignal Bottom w0.254: 260.9,88.1 272.58,88.1 273.33,87.35 273.33,82.36 v2(274.51,81.18)
  RFsignal Bottom w0.508: R184.2@258.6,88.1 260.9,88.1 ; R174.2@260.58,90.12 v4@260.58,91.27 ; 260.6,88.12 R174.2@260.6,90.15
NetJ11_24: J11.24 R164.2 | length 343
  RFsignal Top w0.254: R164.2@285.25,8.2 286.7,8.2 v3(286.75,8.25)
  Digital signal w0.127: J11.24@11.21,64.635 14.337,64.635
  Digital signal w0.254: 14.337,64.635 15.425,64.635 17.562,66.772 17.562,74.071 22.526,79.035 47.804,79.035 50.135,81.366 81.1,81.366 100.309,62.157 103.683,62.157 105.786,60.054 110.245,60.054 111.705,61.514 121.616,61.514 122.695,60.435 162.915,60.435 163.738,61.257 170.422,61.257 171.41,62.245 175.106,62.245 177.355,64.494 184.547,64.494 200.597,48.444 272.275,48.444 274.058,46.661 274.058,12.662 278.47,8.25 v3(286.75,8.25)
NetJ11_25: J11.25 R113.1 | length 222.4
  Digital signal w0.127: J11.25@11.21,62.225 14.337,62.225
  Digital signal w0.254: 14.337,62.225 16.545,62.225 18.65,64.33 18.65,73.621 22.976,77.947 51.704,77.947 54.035,80.278 80.649,80.278 96.36,64.567 96.36,61.292 101.03,56.622 183.996,56.622 193.882,46.736 193.882,42.38 195.662,40.6 v3(198,40.6)
  RFsignal Bottom w0.508: v3@198.02,40.57 R113.1@199.8,40.57
NetJ11_27: J11.27 R114.2 | length 266.3
  RFsignal Top w0.254: R114.2@205.75,7.9 v3(207.25,7.9)
  Digital signal w0.127: J11.27@11.21,57.405 14.337,57.405
  Digital signal w0.254: 14.337,57.405 16.465,57.405 19.738,60.678 19.738,73.17 23.427,76.859 52.259,76.859 54.59,79.19 80.199,79.19 95.198,64.191 95.198,60.915 102.063,54.05 185.029,54.05 192.794,46.285 192.794,10.56 195.454,7.9 v3(207.25,7.9)